# Altium PCB STM32F429IGT6.PcbDoc (part 2 of 6)
Units mil, origin at the board's own origin, x right, y up, seen from the top; angles counter-clockwise.
Board outline 3765 x 2155 mil, 2 copper layers (Top Layer, Bottom Layer); 135 components, 194 nets, 727 pads, 429 vias.
Unrouted connection lines stored in the file: 1.
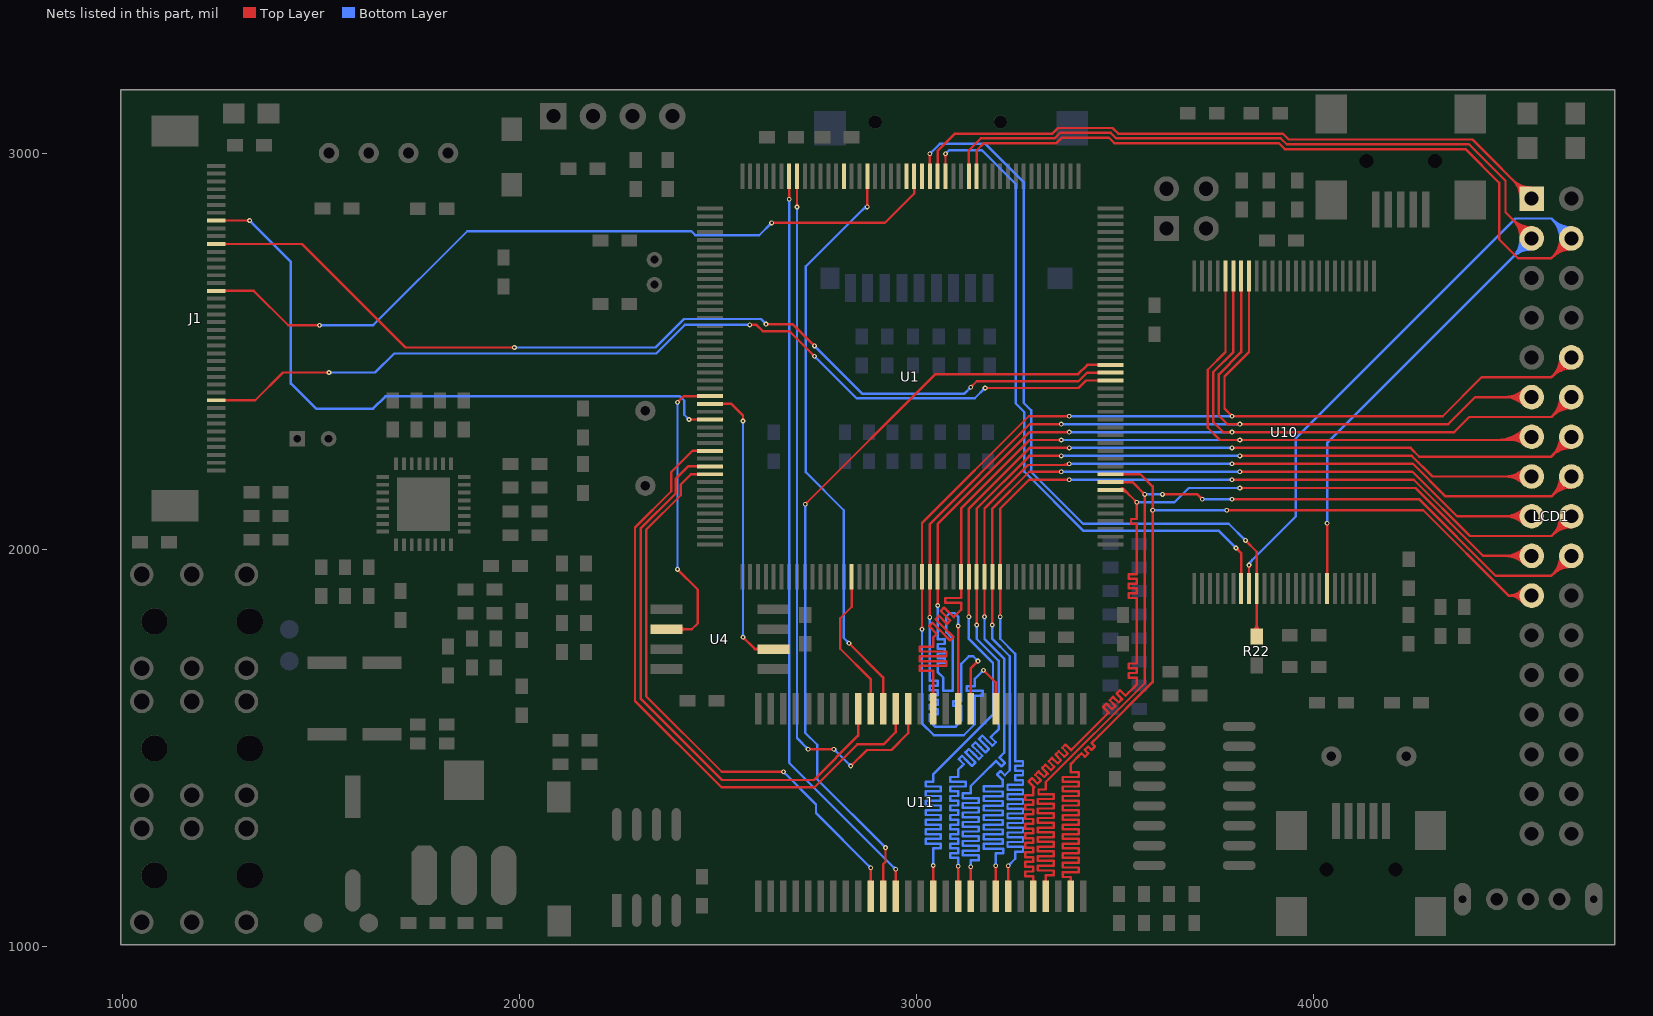
[diagram p2: the nets of this part, all layers, seen from the top]

## Via types
v1: diameter 12, hole 6, Top Layer to Bottom Layer, 405 vias
v2: diameter 16, hole 8, Top Layer to Bottom Layer, 10 vias
v3: diameter 27.56, hole 15.75, Top Layer to Bottom Layer, 9 vias
v4: diameter 16, hole 10, Top Layer to Bottom Layer, 2 vias
v5: diameter 14, hole 8, Top Layer to Bottom Layer, 1 vias
v6: diameter 30, hole 20, Top Layer to Bottom Layer, 1 vias
v7: diameter 26, hole 20, Top Layer to Bottom Layer, 1 vias

## Nets (pads, with @x,y where several pads share a name; then routed paths per layer and width w, separated by ;. In a path a pad name is that pad's centre, name@x,y a point inside that pad or via, vN(x,y) a via of type N, cw(c..) or ccw(c..) an arc to the next point about the centre after c; other vN are vias at no path point) (continued)
FMC_D4: LCD1.10 U1.68 U10.41 U11.8 | length 3563.5
  Top Layer w6: v1@3011.95,1802.12 ccw(c3006.83,1807.24) 3014.07,1807.24 ccw(c3021.32,1807.24) v1@3016.2,1802.12 ; v1(3014.07,1800) U1.68@3014.07,1932.22 3014.07,2068.07 3283,2337 v1(3385,2337) ; v1@3169,1694 cw(c3169,1686.76) 3174.12,1691.88 cw(c3179.24,1697) v1@3172,1697 ; v1(3169,1697) 3199.53,1666.47 U11.8@3199.53,1600 ; U11.8@3196.08,1634.94 ccw(c3187.76,1643.26) 3199.53,1643.26 ccw(c3211.3,1643.26) U11.8@3202.97,1634.94 ; v1@3382.88,2334.88 ccw(c3377.76,2329.76) 3377.76,2337 ccw(c3377.76,2344.24) v1@3382.88,2339.12 ; v1@3792,2337 ccw(c3784.76,2337) 3789.88,2342.12 ccw(c3795,2347.24) v1@3795,2340 ; v1@3797.12,2334.88 cw(c3802.24,2329.76) 3802.24,2337 cw(c3802.24,2344.24) v1@3797.12,2339.12 ; U10.41@3837.79,2690.47 3837.79,2498.4 3776,2436.6 3776,2356 v1(3795,2337) 4326,2337 4424,2435 4600,2435 LCD1.10@4650,2485 ; LCD1.10@4622,2485 cw(c4554.4,2485) 4602.2,2437.2 cw(c4650,2389.4) LCD1.10@4650,2457 ; LCD1.10@4628,2485 cw(c4574.89,2485) 4612.44,2447.44 cw(c4650,2409.89) LCD1.10@4650,2463 ; LCD1.10@4634,2485 cw(c4595.37,2485) 4622.69,2457.69 cw(c4650,2430.37) LCD1.10@4650,2469
  Bottom Layer w6: v1@3011.95,1797.88 cw(c3006.83,1792.76) 3014.07,1792.76 cw(c3021.32,1792.76) v1@3016.2,1797.88 ; v1(3014.07,1800) 3014.07,1562.93 3044,1533 3119,1533 3147,1561 3147,1622 3147,1633 3167,1633 3167,1645 3147,1645 3127,1645 3127,1657 3147,1657 3147,1669 3147,1675 v1(3169,1697) ; v1@3166,1697 cw(c3158.76,1697) 3163.88,1691.88 cw(c3169,1686.76) v1@3169,1694 ; v1(3385,2337) v1(3795,2337) ; v1@3387.12,2334.88 cw(c3392.24,2329.76) 3392.24,2337 cw(c3392.24,2344.24) v1@3387.12,2339.12 ; v1@3792.88,2334.88 ccw(c3787.76,2329.76) 3787.76,2337 ccw(c3787.76,2344.24) v1@3792.88,2339.12
FMC_D5: LCD1.11 U1.69 U10.42 U11.10 | length 3566.9
  Top Layer w6: v1@3031.64,1832.12 ccw(c3026.52,1837.24) 3033.76,1837.24 ccw(c3041,1837.24) v1@3035.88,1832.12 ; v1(3033.76,1830) U1.69@3033.76,1932.22 3033.76,2065.43 3285.33,2317 v1(3365,2317) ; U11.10@3133.09,1634.94 ccw(c3124.77,1643.26) 3136.54,1643.26 ccw(c3148.3,1643.26) U11.10@3139.98,1634.94 ; U11.10@3136.54,1600 3136.54,1701.54 v1(3155,1720) ; v1@3152,1720 cw(c3144.76,1720) 3149.88,1714.88 cw(c3155,1709.76) v1@3155,1717 ; v1@3362.88,2314.88 ccw(c3357.76,2309.76) 3357.76,2317 ccw(c3357.76,2324.24) v1@3362.88,2319.12 ; v1@3812.88,2314.88 ccw(c3807.76,2309.76) 3807.76,2317 ccw(c3807.76,2324.24) v1@3812.88,2319.12 ; v1@3817.12,2314.88 cw(c3822.24,2309.76) 3822.24,2317 cw(c3822.24,2324.24) v1@3817.12,2319.12 ; U10.42@3818.11,2690.47 3818.11,2498.51 3762,2442.4 3762,2338 3783,2317 3795,2317 4340,2317 4408,2385 LCD1.11@4550,2385 ; LCD1.11@4530.2,2365.2 ccw(c4482.4,2317.4) 4482.4,2385 ccw(c4482.4,2452.6) LCD1.11@4530.2,2404.8 ; LCD1.11@4534.44,2369.44 ccw(c4496.89,2331.89) 4496.89,2385 ccw(c4496.89,2438.11) LCD1.11@4534.44,2400.56 ; LCD1.11@4538.69,2373.69 ccw(c4511.37,2346.37) 4511.37,2385 ccw(c4511.37,2423.63) LCD1.11@4538.69,2396.31
  Bottom Layer w6: v1@3031.64,1827.88 cw(c3026.52,1822.76) 3033.76,1822.76 cw(c3041,1822.76) v1@3035.88,1827.88 ; v1(3033.76,1830) 3033.76,1712 3033.76,1670.24 3053.21,1670.24 3053.21,1658.24 3033.76,1658.24 3033.76,1646.24 3053.21,1646.24 3053.21,1634.24 3033.76,1634.24 3033.76,1622.24 3053.21,1622.24 3053.21,1610.24 3033.76,1610.24 3033.76,1598.24 3053.21,1598.24 3053.21,1586.24 3033.76,1586.24 3033.76,1574.24 3033.76,1568.24 3047,1555 3099,1555 3113,1569 3113,1600 3113,1607 3093,1607 3093,1619 3113,1619 3113,1631 3113,1637 3113,1713 3132,1732 3143,1732 v1(3155,1720) ; v1@3152,1720 ccw(c3144.76,1720) 3149.88,1725.12 ccw(c3155,1730.24) v1@3155,1723 ; v1(3365,2317) v1(3815,2317) ; v1@3367.12,2314.88 cw(c3372.24,2309.76) 3372.24,2317 cw(c3372.24,2324.24) v1@3367.12,2319.12 ; v1@3812.88,2314.88 ccw(c3807.76,2309.76) 3807.76,2317 ccw(c3807.76,2324.24) v1@3812.88,2319.12
FMC_D6: LCD1.12 U1.70 U10.43 U11.11 | length 3565
  Top Layer w6: v1@3051.32,1862.12 ccw(c3046.2,1867.24) 3053.44,1867.24 ccw(c3060.69,1867.24) v1@3055.57,1862.12 ; v1(3053.44,1860) U1.70@3053.44,1932.22 3053.44,2065.31 3285.13,2297 v1(3385,2297) ; U11.11@3101.59,1634.94 ccw(c3093.27,1643.26) 3105.04,1643.26 ccw(c3116.81,1643.26) U11.11@3108.49,1634.94 ; v1@3102.92,1806.28 cw(c3097.8,1801.16) 3105.04,1801.16 cw(c3112.28,1801.16) v1@3107.16,1806.28 ; U11.11@3105.04,1600 v1(3105.04,1808.4) ; v1@3382.88,2294.88 ccw(c3377.76,2289.76) 3377.76,2297 ccw(c3377.76,2304.24) v1@3382.88,2299.12 ; v1@3792.88,2294.88 ccw(c3787.76,2289.76) 3787.76,2297 ccw(c3787.76,2304.24) v1@3792.88,2299.12 ; v1@3797.12,2294.88 cw(c3802.24,2289.76) 3802.24,2297 cw(c3802.24,2304.24) v1@3797.12,2299.12 ; U10.43@3798.42,2690.47 3798.42,2498.63 3748,2448.2 3748,2322.2 3773.2,2297 v1(3795,2297) 4355,2297 4393,2335 4600,2335 LCD1.12@4650,2385 ; LCD1.12@4622,2385 cw(c4554.4,2385) 4602.2,2337.2 cw(c4650,2289.4) LCD1.12@4650,2357 ; LCD1.12@4628,2385 cw(c4574.89,2385) 4612.44,2347.44 cw(c4650,2309.89) LCD1.12@4650,2363 ; LCD1.12@4634,2385 cw(c4595.37,2385) 4622.69,2357.69 cw(c4650,2330.37) LCD1.12@4650,2369
  Bottom Layer w6: v1@3051.32,1857.88 cw(c3046.2,1852.76) 3053.44,1852.76 cw(c3060.69,1852.76) v1@3055.57,1857.88 ; v1(3053.44,1860) 3053.44,1781 3053.44,1775 3071.07,1775 3071.07,1763 3053.44,1763 3053.44,1751 3071.07,1751 3071.07,1739 3053.44,1739 3053.44,1727 3071.07,1727 3071.07,1715 3053.44,1715 3053.44,1713 3053.44,1692.56 3068,1678 3068,1645 3091,1645 3091,1777 3075,1793 3075,1832 3084,1841 3096.08,1841 3105.04,1832.04 v1(3105.04,1808.4) ; v1@3102.92,1810.53 ccw(c3097.8,1815.65) 3105.04,1815.65 ccw(c3112.28,1815.65) v1@3107.16,1810.53 ; v1(3385,2297) v1(3795,2297) ; v1@3387.12,2294.88 cw(c3392.24,2289.76) 3392.24,2297 cw(c3392.24,2304.24) v1@3387.12,2299.12 ; v1@3792.88,2294.88 ccw(c3787.76,2289.76) 3787.76,2297 ccw(c3787.76,2304.24) v1@3792.88,2299.12
FMC_D7: LCD1.13 U1.73 U10.44 U11.13 | length 3567.2
  Top Layer w6: U11.13@3038.6,1634.94 ccw(c3030.28,1643.26) 3042.05,1643.26 ccw(c3053.81,1643.26) U11.13@3045.49,1634.94 ; U11.13@3042.05,1600 3042.05,1670.24 3042.05,1696 3008.24,1696 3008.24,1708 3042.05,1708 3075.86,1708 3075.86,1720 3042.05,1720 3008.24,1720 3008.24,1732 3042.05,1732 3075.86,1732 3075.86,1744 3042.05,1744 3008.24,1744 3008.24,1756 3042.05,1756 3042.05,1768 3042.05,1774 3042.05,1779.05 3048.72,1785.72 3051.35,1788.35 3031.72,1807.97 3040.21,1816.46 3059.83,1796.83 3084.56,1772.11 3093.04,1780.59 3068.32,1805.32 3048.08,1825.55 3056.57,1834.03 3076.8,1813.8 3085.29,1822.29 3061.11,1846.46 3069.6,1854.94 3093.77,1830.77 3102.26,1839.26 3106.5,1843.5 3112.5,1849.5 3112.5,1856 3112.5,1867 3072.5,1867 3072.5,1879 3112.5,1879 3112.5,1891 3112.5,1897 U1.73@3112.5,1932.22 3112.5,2104.57 3284.93,2277 v1(3365,2277) ; v1@3362.88,2274.88 ccw(c3357.76,2269.76) 3357.76,2277 ccw(c3357.76,2284.24) v1@3362.88,2279.12 ; U10.44@3778.74,2690.47 3778.74,2498.74 3734,2454 3734,2308 3765,2277 3795,2277 4542,2277 LCD1.13@4550,2285 ; v1@3812.88,2274.88 ccw(c3807.76,2269.76) 3807.76,2277 ccw(c3807.76,2284.24) v1@3812.88,2279.12 ; v1@3817.12,2274.88 cw(c3822.24,2269.76) 3822.24,2277 cw(c3822.24,2284.24) v1@3817.12,2279.12 ; 4463.09,2277 ccw(c4463.09,2371.91) LCD1.13@4530.2,2304.8 ; 4477.57,2277 ccw(c4477.57,2357.43) LCD1.13@4534.44,2300.56 ; 4492.06,2277 ccw(c4492.06,2342.94) LCD1.13@4538.69,2296.31 ; 4501.72,2277 cw(c4501.72,2236.72) LCD1.13@4530.2,2265.2 ; 4506.54,2277 ccw(c4506.54,2328.46) LCD1.13@4542.93,2292.07 ; 4516.2,2277 cw(c4516.2,2251.2) LCD1.13@4534.44,2269.44
  Bottom Layer w6: v1(3365,2277) v1(3815,2277) ; v1@3367.12,2274.88 cw(c3372.24,2269.76) 3372.24,2277 cw(c3372.24,2284.24) v1@3367.12,2279.12 ; v1@3812.88,2274.88 ccw(c3807.76,2269.76) 3807.76,2277 ccw(c3807.76,2284.24) v1@3812.88,2279.12
FMC_D8: LCD1.14 U1.74 U11.42 | length 3569.8
  Top Layer w6: U11.42@3038.6,1162.5 ccw(c3030.28,1170.82) 3042.05,1170.82 ccw(c3053.81,1170.82) U11.42@3045.49,1162.5 ; v1@3039.92,1202.83 cw(c3034.8,1197.71) 3042.05,1197.71 cw(c3049.29,1197.71) v1@3044.17,1202.83 ; U11.42@3042.05,1127.56 v1(3042.05,1204.95) ; v1@3130.06,1833.75 ccw(c3124.94,1838.87) 3132.19,1838.87 ccw(c3139.43,1838.87) v1@3134.31,1833.75 ; v1(3132.19,1831.63) U1.74@3132.19,1932.22 3132.19,2104.46 3284.73,2257 v1(3385,2257) ; v1@3382.88,2254.88 ccw(c3377.76,2249.76) 3377.76,2257 ccw(c3377.76,2264.24) v1@3382.88,2259.12 ; v1(3795,2257) 4244.94,2257 4266.94,2235 4599,2235 4649,2285 LCD1.14@4650,2285 ; v1@3797.12,2254.88 cw(c3802.24,2249.76) 3802.24,2257 cw(c3802.24,2264.24) v1@3797.12,2259.12 ; 4600.49,2236.49 cw(c4650,2186.99) LCD1.14@4650,2257 ; 4602.91,2238.91 ccw(c4556.82,2285) LCD1.14@4622,2285 ; 4610.74,2246.74 cw(c4650,2207.47) LCD1.14@4650,2263 ; 4613.15,2249.15 ccw(c4577.3,2285) LCD1.14@4628,2285 ; 4620.98,2256.98 cw(c4650,2227.96) LCD1.14@4650,2269 ; 4623.39,2259.39 ccw(c4597.79,2285) LCD1.14@4634,2285
  Bottom Layer w6: v1@3039.92,1207.08 ccw(c3034.8,1212.2) 3042.05,1212.2 ccw(c3049.29,1212.2) v1@3044.17,1207.08 ; v1(3042.05,1204.95) 3042.05,1227 3042.05,1248.05 3060.92,1248.05 3060.92,1260.05 3042.05,1260.05 3023.17,1260.05 3023.17,1272.05 3042.05,1272.05 3060.92,1272.05 3060.92,1284.05 3042.05,1284.05 3023.17,1284.05 3023.17,1296.05 3042.05,1296.05 3060.92,1296.05 3060.92,1308.05 3042.05,1308.05 3023.17,1308.05 3023.17,1320.05 3042.05,1320.05 3060.92,1320.05 3060.92,1332.05 3042.05,1332.05 3023.17,1332.05 3023.17,1344.05 3042.05,1344.05 3060.92,1344.05 3060.92,1356.05 3042.05,1356.05 3023.17,1356.05 3023.17,1368.05 3042.05,1368.05 3060.92,1368.05 3060.92,1380.05 3042.05,1380.05 3023.17,1380.05 3023.17,1392.05 3042.05,1392.05 3060.92,1392.05 3060.92,1404.05 3042.05,1404.05 3023.17,1404.05 3023.17,1416.05 3042.05,1416.05 3042.05,1428.05 ; v1@3130.06,1829.51 cw(c3124.94,1824.39) 3132.19,1824.39 cw(c3139.43,1824.39) v1@3134.31,1829.51 ; v1(3132.19,1831.63) 3132.19,1775.62 3193,1714.8 3193,1585 3042.05,1434.05 ; v1(3385,2257) v1(3795,2257) ; v1@3387.12,2254.88 cw(c3392.24,2249.76) 3392.24,2257 cw(c3392.24,2264.24) v1@3387.12,2259.12 ; v1@3792.88,2254.88 ccw(c3787.76,2249.76) 3787.76,2257 ccw(c3787.76,2264.24) v1@3792.88,2259.12 ; 3042.05,1428.05 3042.05,1434.05 ; 3042.05,1428.05 3042.05,1434.05
FMC_D9: LCD1.15 U1.75 U11.44 | length 3569.8
  Top Layer w6: U11.44@3101.59,1162.5 ccw(c3093.27,1170.82) 3105.04,1170.82 ccw(c3116.81,1170.82) U11.44@3108.49,1162.5 ; v1@3102.92,1200.92 cw(c3097.8,1195.8) 3105.04,1195.8 cw(c3112.28,1195.8) v1@3107.16,1200.92 ; U11.44@3105.04,1127.56 v1(3105.04,1203.04) ; v1@3149.75,1812.99 ccw(c3144.63,1818.11) 3151.87,1818.11 ccw(c3159.11,1818.11) v1@3153.99,1812.99 ; v1(3151.87,1810.87) U1.75@3151.87,1932.22 3151.87,2104.34 3284.53,2237 v1(3365,2237) ; v1@3362.88,2234.88 ccw(c3357.76,2229.76) 3357.76,2237 ccw(c3357.76,2244.24) v1@3362.88,2239.12 ; v1(3815,2237) 4247.97,2237 4299.97,2185 LCD1.15@4550,2185 ; v1@3817.12,2234.88 cw(c3822.24,2229.76) 3822.24,2237 cw(c3822.24,2244.24) v1@3817.12,2239.12 ; LCD1.15@4530.2,2165.2 ccw(c4482.4,2117.4) 4482.4,2185 ccw(c4482.4,2252.6) LCD1.15@4530.2,2204.8 ; LCD1.15@4534.44,2169.44 ccw(c4496.89,2131.89) 4496.89,2185 ccw(c4496.89,2238.11) LCD1.15@4534.44,2200.56 ; LCD1.15@4538.69,2173.69 ccw(c4511.37,2146.37) 4511.37,2185 ccw(c4511.37,2223.63) LCD1.15@4538.69,2196.31
  Bottom Layer w6: v1@3102.92,1205.16 ccw(c3097.8,1210.28) 3105.04,1210.28 ccw(c3112.28,1210.28) v1@3107.16,1205.16 ; v1(3105.04,1203.04) 3105.04,1217 3105.04,1224.04 3085.04,1224.04 3085.04,1236.04 3105.04,1236.04 3105.04,1248.04 3085.04,1248.04 3085.04,1260.04 3105.04,1260.04 3105.04,1272.04 3085.04,1272.04 3085.04,1284.04 3105.04,1284.04 3105.04,1296.04 3085.04,1296.04 3085.04,1308.04 3105.04,1308.04 3105.04,1320.04 3085.04,1320.04 3085.04,1332.04 3105.04,1332.04 3105.04,1344.04 3085.04,1344.04 3085.04,1356.04 3105.04,1356.04 3105.04,1368.04 3085.04,1368.04 3085.04,1380.04 3105.04,1380.04 3105.04,1392.04 3085.04,1392.04 3085.04,1404.04 3105.04,1404.04 3124.54,1404.04 3124.54,1416.04 3105.04,1416.04 3085.04,1416.04 3085.04,1428.04 3105.04,1428.04 3105.04,1440.04 ; v1@3149.75,1808.75 cw(c3144.63,1803.63) 3151.87,1803.63 cw(c3159.11,1803.63) v1@3153.99,1808.75 ; v1(3151.87,1810.87) 3151.87,1775.73 3207,1720.6 3207,1548 3189.5,1530.5 3187.02,1528.02 3199.77,1515.27 3191.29,1506.79 3178.54,1519.54 3165.79,1532.29 3157.3,1523.8 3170.05,1511.05 3182.8,1498.3 3174.32,1489.82 3161.57,1502.57 3148.82,1515.32 3140.33,1506.83 3153.08,1494.08 3165.83,1481.33 3157.35,1472.84 3144.59,1485.59 3131.84,1498.35 3123.36,1489.86 3136.11,1477.11 3148.86,1464.36 3140.37,1455.87 3127.62,1468.62 3114.87,1481.37 3106.39,1472.89 3119.14,1460.14 3114.9,1455.9 3105.04,1446.04 ; v1(3365,2237) v1(3815,2237) ; v1@3367.12,2234.88 cw(c3372.24,2229.76) 3372.24,2237 cw(c3372.24,2244.24) v1@3367.12,2239.12 ; v1@3812.88,2234.88 ccw(c3807.76,2229.76) 3807.76,2237 ccw(c3807.76,2244.24) v1@3812.88,2239.12 ; 3105.04,1440.04 3105.04,1446.04 ; 3105.04,1440.04 3105.04,1446.04
FMC_D10: LCD1.16 U1.76 U11.45 | length 3572.1
  Top Layer w6: U11.45@3133.09,1162.5 ccw(c3124.77,1170.82) 3136.54,1170.82 ccw(c3148.3,1170.82) U11.45@3139.98,1162.5 ; v1@3134.41,1199.41 cw(c3129.29,1194.29) 3136.54,1194.29 cw(c3143.78,1194.29) v1@3138.66,1199.41 ; U11.45@3136.54,1127.56 v1(3136.54,1201.54) ; v1@3169.43,1833.75 ccw(c3164.31,1838.87) 3171.56,1838.87 ccw(c3178.8,1838.87) v1@3173.68,1833.75 ; v1(3171.56,1831.63) U1.76@3171.56,1932.22 3171.56,2104.23 3281.33,2214 3382,2214 v1(3385,2217) ; 3370.51,2214 ccw(c3370.51,2231.49) v1@3382.88,2219.12 ; v1(3795,2217) 4251,2217 4333,2135 4600,2135 LCD1.16@4650,2185 ; v1@3797.12,2214.88 cw(c3802.24,2209.76) 3802.24,2217 cw(c3802.24,2224.24) v1@3797.12,2219.12 ; LCD1.16@4622,2185 cw(c4554.4,2185) 4602.2,2137.2 cw(c4650,2089.4) LCD1.16@4650,2157 ; LCD1.16@4628,2185 cw(c4574.89,2185) 4612.44,2147.44 cw(c4650,2109.89) LCD1.16@4650,2163 ; LCD1.16@4634,2185 cw(c4595.37,2185) 4622.69,2157.69 cw(c4650,2130.37) LCD1.16@4650,2169
  Bottom Layer w6: v1@3134.41,1203.66 ccw(c3129.29,1208.78) 3136.54,1208.78 ccw(c3143.78,1208.78) v1@3138.66,1203.66 ; v1(3136.54,1201.54) 3136.54,1213 3136.54,1218.54 3156.54,1218.54 3156.54,1230.54 3136.54,1230.54 3117.04,1230.54 3117.04,1242.54 3136.54,1242.54 3156.54,1242.54 3156.54,1254.54 3136.54,1254.54 3117.04,1254.54 3117.04,1266.54 3136.54,1266.54 3156.54,1266.54 3156.54,1278.54 3136.54,1278.54 3117.04,1278.54 3117.04,1290.54 3136.54,1290.54 3156.54,1290.54 3156.54,1302.54 3136.54,1302.54 3117.04,1302.54 3117.04,1314.54 3136.54,1314.54 3156.54,1314.54 3156.54,1326.54 3136.54,1326.54 3117.04,1326.54 3117.04,1338.54 3136.54,1338.54 3156.54,1338.54 3156.54,1350.54 3136.54,1350.54 3117.04,1350.54 3117.04,1362.54 3136.54,1362.54 3156.54,1362.54 3156.54,1374.54 3136.54,1374.54 3117.04,1374.54 3117.04,1386.54 3136.54,1386.54 3136.54,1398.54 ; v1@3169.43,1829.51 cw(c3164.31,1824.39) 3171.56,1824.39 cw(c3178.8,1824.39) v1@3173.68,1829.51 ; v1(3171.56,1831.63) 3171.56,1775.85 3221,1726.4 3221,1489 3213.25,1481.25 3209,1477 3222.81,1463.2 3214.32,1454.71 3200.52,1468.52 3168,1436 3136.54,1404.54 ; v1(3385,2217) v1(3795,2217) ; v1@3387.12,2214.88 cw(c3392.24,2209.76) 3392.24,2217 cw(c3392.24,2224.24) v1@3387.12,2219.12 ; v1@3792.88,2214.88 ccw(c3787.76,2209.76) 3787.76,2217 ccw(c3787.76,2224.24) v1@3792.88,2219.12 ; 3136.54,1398.54 3136.54,1404.54 ; 3136.54,1398.54 3136.54,1404.54
FMC_D11: LCD1.17 U1.77 U11.47 | length 3529.2
  Top Layer w6: v1@3189.12,1812.99 ccw(c3184,1818.11) 3191.24,1818.11 ccw(c3198.48,1818.11) v1@3193.36,1812.99 ; v1(3191.24,1810.87) U1.77@3191.24,1932.22 3191.24,2104.11 3284.13,2197 v1(3365,2197) ; U11.47@3196.08,1162.5 ccw(c3187.76,1170.82) 3199.53,1170.82 ccw(c3211.29,1170.82) U11.47@3202.97,1162.5 ; v1@3197.41,1202.35 cw(c3192.29,1197.23) 3199.53,1197.23 cw(c3206.77,1197.23) v1@3201.65,1202.35 ; U11.47@3199.53,1127.56 v1(3199.53,1204.47) ; v1@3362.88,2194.88 ccw(c3357.76,2189.76) 3357.76,2197 ccw(c3357.76,2204.24) v1@3362.88,2199.12 ; v1(3815,2197) 4249.94,2197 4361.94,2085 LCD1.17@4550,2085 ; v1@3817.12,2194.88 cw(c3822.24,2189.76) 3822.24,2197 cw(c3822.24,2204.24) v1@3817.12,2199.12 ; LCD1.17@4530.2,2065.2 ccw(c4482.4,2017.4) 4482.4,2085 ccw(c4482.4,2152.6) LCD1.17@4530.2,2104.8 ; LCD1.17@4534.44,2069.44 ccw(c4496.89,2031.89) 4496.89,2085 ccw(c4496.89,2138.11) LCD1.17@4534.44,2100.56 ; LCD1.17@4538.69,2073.69 ccw(c4511.37,2046.37) 4511.37,2085 ccw(c4511.37,2123.63) LCD1.17@4538.69,2096.31
  Bottom Layer w6: v1@3189.12,1808.75 cw(c3184,1803.63) 3191.24,1803.63 cw(c3198.48,1803.63) v1@3193.36,1808.75 ; v1(3191.24,1810.87) 3191.24,1775.96 3235,1732.2 3235,1445 3222.27,1432.27 3211.49,1443.05 3203,1434.57 3217,1420.57 3217,1405 3170,1405 3170,1391.53 3217.55,1391.53 3217.55,1379.53 3169.53,1379.53 3169.53,1367.53 3217.55,1367.53 3217.55,1355.53 3169.53,1355.53 3169.53,1343.53 3217.55,1343.53 3217.55,1331.53 3169.53,1331.53 3169.53,1319.53 3217.55,1319.53 3217.55,1307.53 3169.53,1307.53 3169.53,1295.53 3217.55,1295.53 3217.55,1283.53 3169.53,1283.53 3169.53,1271.53 3217.55,1271.53 3217.55,1259.53 3169.53,1259.53 3169.53,1247.53 3218.41,1247.53 3218.41,1235.53 3199.53,1235.53 v1(3199.53,1204.47) ; v1@3197.41,1206.59 ccw(c3192.29,1211.71) 3199.53,1211.71 ccw(c3206.77,1211.71) v1@3201.65,1206.59 ; v1(3365,2197) v1(3815,2197) ; v1@3367.12,2194.88 cw(c3372.24,2189.76) 3372.24,2197 cw(c3372.24,2204.24) v1@3367.12,2199.12 ; v1@3812.88,2194.88 ccw(c3807.76,2189.76) 3807.76,2197 ccw(c3807.76,2204.24) v1@3812.88,2199.12
FMC_D12: LCD1.18 U1.78 U11.48 | length 3569.8
  Top Layer w6: v1@3208.8,1833.75 ccw(c3203.68,1838.87) 3210.93,1838.87 ccw(c3218.17,1838.87) v1@3213.05,1833.75 ; v1(3210.93,1831.63) U1.78@3210.93,1932.22 3210.93,2104 3283.93,2177 v1(3385,2177) ; U11.48@3227.58,1162.5 ccw(c3219.26,1170.82) 3231.02,1170.82 ccw(c3242.79,1170.82) U11.48@3234.47,1162.5 ; v1@3228.9,1201.9 cw(c3223.78,1196.78) 3231.02,1196.78 cw(c3238.27,1196.78) v1@3233.15,1201.9 ; U11.48@3231.02,1127.56 v1(3231.02,1204.02) ; v1@3382.88,2174.88 ccw(c3377.76,2169.76) 3377.76,2177 ccw(c3377.76,2184.24) v1@3382.88,2179.12 ; v1(3795,2177) 4252.97,2177 4394.97,2035 4600,2035 LCD1.18@4650,2085 ; v1@3797.12,2174.88 cw(c3802.24,2169.76) 3802.24,2177 cw(c3802.24,2184.24) v1@3797.12,2179.12 ; LCD1.18@4622,2085 cw(c4554.4,2085) 4602.2,2037.2 cw(c4650,1989.4) LCD1.18@4650,2057 ; LCD1.18@4628,2085 cw(c4574.89,2085) 4612.44,2047.44 cw(c4650,2009.89) LCD1.18@4650,2063 ; LCD1.18@4634,2085 cw(c4595.37,2085) 4622.69,2057.69 cw(c4650,2030.37) LCD1.18@4650,2069
  Bottom Layer w6: v1@3208.8,1829.51 cw(c3203.68,1824.39) 3210.93,1824.39 cw(c3218.17,1824.39) v1@3213.05,1829.51 ; v1(3210.93,1831.63) 3210.93,1776.07 3249,1738 3249,1561 3249,1468 3268.46,1468 3268.46,1456 3249,1456 3249,1444 3268.46,1444 3268.46,1432 3249,1432 3249,1420 3268.46,1420 3268.46,1408 3249,1408 3229.54,1408 3229.54,1396 3249,1396 3268.46,1396 3268.46,1384 3249,1384 3229.54,1384 3229.54,1372 3249,1372 3268.46,1372 3268.46,1360 3249,1360 3229.54,1360 3229.54,1348 3249,1348 3268.46,1348 3268.46,1336 3249,1336 3229.54,1336 3229.54,1324 3249,1324 3268.46,1324 3268.46,1312 3249,1312 3229.54,1312 3229.54,1300 3249,1300 3268.46,1300 3268.46,1288 3249,1288 3229.54,1288 3229.54,1276 3249,1276 3268.46,1276 3268.46,1264 3249,1264 3229.54,1264 3229.54,1252 3249,1252 3268.46,1252 3268.46,1240 3249,1240 3249,1228 3249,1222 v1(3231.02,1204.02) ; v1@3231.02,1207.02 ccw(c3231.02,1214.27) 3236.15,1209.15 ccw(c3241.27,1204.02) v1@3234.02,1204.02 ; v1(3385,2177) v1(3795,2177) ; v1@3387.12,2174.88 cw(c3392.24,2169.76) 3392.24,2177 cw(c3392.24,2184.24) v1@3387.12,2179.12 ; v1@3792.88,2174.88 ccw(c3787.76,2169.76) 3787.76,2177 ccw(c3787.76,2184.24) v1@3792.88,2179.12
FMC_D13: LCD1.19 U1.96 U11.50 | length 3569.3
  Top Layer w6: U11.50@3290.57,1162.5 ccw(c3282.25,1170.82) 3294.02,1170.82 ccw(c3305.78,1170.82) U11.50@3297.46,1162.5 ; U11.50@3294.02,1127.56 3294.02,1174 3294.02,1177.96 3274.02,1177.96 3274.02,1189.96 3294.02,1189.96 3294.02,1201.96 3274.02,1201.96 3274.02,1213.96 3294.02,1213.96 3294.02,1225.96 3274.02,1225.96 3274.02,1237.96 3294.02,1237.96 3294.02,1249.96 3274.02,1249.96 3274.02,1261.96 3294.02,1261.96 3294.02,1273.96 3274.02,1273.96 3274.02,1285.96 3294.02,1285.96 3294.02,1297.96 3274.02,1297.96 3274.02,1309.96 3294.02,1309.96 3294.02,1321.96 3274.02,1321.96 3274.02,1333.96 3294.02,1333.96 3294.02,1345.96 3274.02,1345.96 3274.02,1357.96 3294.02,1357.96 3294.02,1369.96 3274.02,1369.96 3274.02,1381.96 3294.02,1381.96 3294.02,1393.96 3294.02,1399.96 3296.47,1402.41 3282.32,1416.55 3290.81,1425.03 3304.95,1410.89 3313.44,1419.38 3299.29,1433.52 3307.78,1442 3321.92,1427.86 3330.41,1436.35 3316.26,1450.49 3324.75,1458.97 3338.89,1444.83 3347.38,1453.32 3333.23,1467.46 3341.72,1475.95 3355.86,1461.8 3364.35,1470.29 3350.21,1484.43 3358.69,1492.92 3372.83,1478.77 3381.32,1487.26 3367.18,1501.4 3375.66,1509.89 3389.8,1495.74 3398.29,1504.23 3402.53,1508.47 3472.03,1577.97 3475.71,1581.65 3484.19,1590.13 3470.05,1604.27 3478.53,1612.76 3492.68,1598.62 3501.16,1607.1 3487.02,1621.24 3495.5,1629.73 3509.65,1615.59 3518.13,1624.07 3503.99,1638.21 3512.47,1646.7 3526.62,1632.56 3535.1,1641.04 3539.34,1645.29 3551.53,1657.47 ; U1.96@3489.09,2151.34 3523.66,2151.34 v1(3555,2120) 3555,2096 3555,2090 3555,2078 3540.65,2078 3540.65,2066 3555,2066 3555,2060 3555,1957 3555,1951 3555,1939 3535,1939 3535,1927 3555,1927 3555,1915 3535,1915 3535,1903 3555,1903 3555,1891 3535,1891 3535,1879 3555,1879 3555,1867 3555,1855 3555,1853 3555,1732 3555,1726 3555,1714 3535,1714 3535,1702 3555,1702 3555,1690 3535,1690 3535,1678 3555,1678 3555,1666 3555,1660.94 3550.76,1656.7 ; U1.96@3516.57,2149.34 cw(c3516.57,2127.4) 3532.09,2142.91 ; U1.96@3516.57,2155.34 cw(c3516.57,2147.88) 3521.85,2153.15 ; U1.96@3517.42,2149.52 cw(c3521.08,2141.66) 3527.21,2147.79 ; v1@3552,2120 ccw(c3544.76,2120) 3549.88,2125.12 ccw(c3555,2130.24) v1@3555,2123 ; v1@3552.88,2117.88 cw(c3547.76,2112.76) 3555,2112.76 cw(c3562.24,2112.76) v1@3557.12,2117.88 ; v1(3815,2156) 4257,2156 4428,1985 LCD1.19@4550,1985 ; v1@3817.12,2153.88 cw(c3822.24,2148.76) 3822.24,2156 cw(c3822.24,2163.24) v1@3817.12,2158.12 ; LCD1.19@4530.2,1965.2 ccw(c4482.4,1917.4) 4482.4,1985 ccw(c4482.4,2052.6) LCD1.19@4530.2,2004.8 ; LCD1.19@4534.44,1969.44 ccw(c4496.89,1931.89) 4496.89,1985 ccw(c4496.89,2038.11) LCD1.19@4534.44,2000.56 ; LCD1.19@4538.69,1973.69 ccw(c4511.37,1946.37) 4511.37,1985 ccw(c4511.37,2023.63) LCD1.19@4538.69,1996.31
  Bottom Layer w6: v1(3555,2120) 3650,2120 3686,2156 v1(3815,2156) ; v1@3557.12,2117.88 cw(c3562.24,2112.76) 3562.24,2120 cw(c3562.24,2127.24) v1@3557.12,2122.12 ; v1@3812.88,2153.88 ccw(c3807.76,2148.76) 3807.76,2156 ccw(c3807.76,2163.24) v1@3812.88,2158.12
FMC_D14: LCD1.20 U1.97 U11.51 | length 3499.8
  Top Layer w6: U11.51@3322.07,1162.5 ccw(c3313.75,1170.82) 3325.51,1170.82 ccw(c3337.28,1170.82) U11.51@3328.96,1162.5 ; U11.51@3325.51,1127.56 3325.51,1165 3325.51,1168.48 ; U1.97@3489.09,2171.02 3543.98,2171.02 v1(3575,2140) 3575,1663.97 3325.51,1414.48 3325.51,1408.48 3325.51,1396.48 3307.51,1396.48 3307.51,1384.48 3325.51,1384.48 3345.51,1384.48 3345.51,1372.48 3325.51,1372.48 3306.01,1372.48 3306.01,1360.48 3325.51,1360.48 3345.51,1360.48 3345.51,1348.48 3325.51,1348.48 3306.01,1348.48 3306.01,1336.48 3325.51,1336.48 3345.51,1336.48 3345.51,1324.48 3325.51,1324.48 3306.01,1324.48 3306.01,1312.48 3325.51,1312.48 3345.51,1312.48 3345.51,1300.48 3325.51,1300.48 3306.01,1300.48 3306.01,1288.48 3325.51,1288.48 3345.51,1288.48 3345.51,1276.48 3325.51,1276.48 3306.01,1276.48 3306.01,1264.48 3325.51,1264.48 3345.51,1264.48 3345.51,1252.48 3325.51,1252.48 3306.01,1252.48 3306.01,1240.48 3325.51,1240.48 3345.51,1240.48 3345.51,1228.48 3325.51,1228.48 3306.01,1228.48 3306.01,1216.48 3325.51,1216.48 3345.51,1216.48 3345.51,1204.48 3325.51,1204.48 3306.01,1204.48 3306.01,1192.48 3325.51,1192.48 3345.51,1192.48 3345.51,1180.48 3325.51,1180.48 3325.51,1168.48 ; v1@3572,2140 ccw(c3564.76,2140) 3569.88,2145.12 ccw(c3575,2150.24) v1@3575,2143 ; v1@3572.88,2137.88 cw(c3567.76,2132.76) 3575,2132.76 cw(c3582.24,2132.76) v1@3577.12,2137.88 ; v1(3620,2140) 3708,2140 v1(3720,2128) ; v1@3622.12,2137.88 cw(c3627.24,2132.76) 3627.24,2140 cw(c3627.24,2147.24) v1@3622.12,2142.12 ; v1@3717,2128 ccw(c3709.76,2128) 3714.88,2133.12 ccw(c3720,2138.24) v1@3720,2131 ; v1(3795,2128) 4265.97,2128 4458.97,1935 4600,1935 LCD1.20@4650,1985 ; v1@3797.12,2125.88 cw(c3802.24,2120.76) 3802.24,2128 cw(c3802.24,2135.24) v1@3797.12,2130.12 ; LCD1.20@4622,1985 cw(c4554.4,1985) 4602.2,1937.2 cw(c4650,1889.4) LCD1.20@4650,1957 ; LCD1.20@4628,1985 cw(c4574.89,1985) 4612.44,1947.44 cw(c4650,1909.89) LCD1.20@4650,1963 ; LCD1.20@4634,1985 cw(c4595.37,1985) 4622.69,1957.69 cw(c4650,1930.37) LCD1.20@4650,1969 ; 3325.51,1168.48 cw(c3318.83,1168.48) 3322.69,1163.03 ccw(c3318.83,1168.48) 3325.51,1168.48 ; 3325.51,1168.48 ccw(c3332.19,1168.48) 3328.33,1163.03 cw(c3332.19,1168.48) 3325.51,1168.48
  Bottom Layer w6: v1(3575,2140) v1(3620,2140) ; v1@3577.12,2137.88 cw(c3582.24,2132.76) 3582.24,2140 cw(c3582.24,2147.24) v1@3577.12,2142.12 ; v1@3617.88,2137.88 ccw(c3612.76,2132.76) 3612.76,2140 ccw(c3612.76,2147.24) v1@3617.88,2142.12 ; v1(3720,2128) v1(3795,2128) ; v1@3722.12,2125.88 cw(c3727.24,2120.76) 3727.24,2128 cw(c3727.24,2135.24) v1@3722.12,2130.12 ; v1@3792.88,2125.88 ccw(c3787.76,2120.76) 3787.76,2128 ccw(c3787.76,2135.24) v1@3792.88,2130.12
FMC_D15: LCD1.21 U1.98 U11.53 | length 3503.8
  Top Layer w6: U11.53@3385.06,1162.5 ccw(c3375.54,1172.02) 3389,1172.02 ; U11.53@3389,1127.56 3389,1168 ; 3389,1169.63 ccw(c3399.07,1169.63) U11.53@3391.95,1162.5 ; U1.98@3489.09,2190.71 3564.29,2190.71 3595,2160 v1(3595,2100) 3595,1667 3459.5,1531.5 3441.19,1513.19 3449.95,1504.44 3441.46,1495.95 3432.71,1504.71 3424.22,1496.22 3432.98,1487.47 3424.49,1478.98 3415.74,1487.74 3407.25,1479.25 3403.01,1475.01 3389,1461 3389,1446 3389,1440 3409,1440 3409,1428 3389,1428 3369,1428 3369,1416 3389,1416 3409,1416 3409,1404 3389,1404 3369,1404 3369,1392 3389,1392 3409,1392 3409,1380 3389,1380 3369,1380 3369,1368 3389,1368 3409,1368 3409,1356 3389,1356 3369,1356 3369,1344 3389,1344 3409,1344 3409,1332 3389,1332 3369,1332 3369,1320 3389,1320 3409,1320 3409,1308 3389,1308 3369,1308 3369,1296 3389,1296 3409,1296 3409,1284 3389,1284 3369,1284 3369,1272 3389,1272 3409,1272 3409,1260 3389,1260 3369,1260 3369,1248 3389,1248 3409,1248 3409,1236 3389,1236 3369,1236 3369,1224 3389,1224 3409,1224 3409,1212 3389,1212 3369,1212 3369,1200 3389,1200 3409,1200 3409,1188 3389,1188 3369,1188 3369,1176 3389,1176 3389,1168 ; v1@3592.88,2097.88 cw(c3587.76,2092.76) 3595,2092.76 cw(c3602.24,2092.76) v1@3597.12,2097.88 ; v1@3592.88,2102.12 ccw(c3587.76,2107.24) 3595,2107.24 ccw(c3602.24,2107.24) v1@3597.12,2102.12 ; v1(3782,2100) 4277,2100 4492,1885 ; v1@3784.12,2097.88 cw(c3789.24,2092.76) 3789.24,2100 cw(c3789.24,2107.24) v1@3784.12,2102.12 ; LCD1.21@4528.07,1867.59 ccw(c4492,1838.93) 4492,1885 ; LCD1.21@4528.07,1902.41 cw(c4492,1931.07) 4492,1885 ; LCD1.21@4532.77,1871.32 ccw(c4504.43,1848.81) 4504.43,1885 ccw(c4504.43,1921.19) LCD1.21@4532.77,1898.68 ; LCD1.21@4537.47,1875.05 ccw(c4516.86,1858.68) 4516.86,1885 ccw(c4516.86,1911.32) LCD1.21@4537.47,1894.95 ; LCD1.21@4550,1885 4492,1885 ; 3389,1168 cw(c3383.74,1168) 3386.21,1163.36 ccw(c3383.74,1168) 3389,1168 ; 3389,1168 ccw(c3395.45,1168) 3391.49,1162.91 cw(c3395.45,1168) 3389,1168
  Bottom Layer w6: v1(3595,2100) v1(3782,2100) ; v1@3597.12,2097.88 cw(c3602.24,2092.76) 3602.24,2100 cw(c3602.24,2107.24) v1@3597.12,2102.12 ; v1@3779.88,2097.88 ccw(c3774.76,2092.76) 3774.76,2100 ccw(c3774.76,2107.24) v1@3779.88,2102.12
FMC_INT2: J1.10 U1.110 | length 2518
  Top Layer w6: J1.10@1236,2377.17 1334.17,2377.17 1403.96,2446.96 v1(1520,2446.96) ; v1@1517.88,2444.84 ccw(c1512.76,2439.72) 1512.76,2446.96 ccw(c1512.76,2454.2) v1@1517.88,2449.08 ; v1(2580,2567) 2597,2567 2613,2551 2680,2551 v1(2743,2488) ; v1@2582.12,2564.88 cw(c2587.24,2559.76) 2587.24,2567 cw(c2587.24,2574.24) v1@2582.12,2569.12 ; v1@2740,2488 ccw(c2732.76,2488) 2737.88,2493.12 ccw(c2743,2498.24) v1@2743,2491 ; v1(3173,2408) 3407.97,2408 3426.9,2426.93 U1.110@3489.09,2426.93 ; v1@3175.12,2405.88 cw(c3180.24,2400.76) 3180.24,2408 cw(c3180.24,2415.24) v1@3175.12,2410.12
  Bottom Layer w6: v1(1520,2446.96) 1636.08,2446.96 1684.12,2495 2344.38,2495 2416.38,2567 v1(2580,2567) ; v1@1522.12,2444.84 cw(c1527.24,2439.72) 1527.24,2446.96 cw(c1527.24,2454.2) v1@1522.12,2449.08 ; v1@2577.88,2564.88 ccw(c2572.76,2559.76) 2572.76,2567 ccw(c2572.76,2574.24) v1@2577.88,2569.12 ; v1@2743,2485 cw(c2743,2477.76) 2748.12,2482.88 cw(c2753.24,2488) v1@2746,2488 ; v1(2743,2488) 2849,2382 3147,2382 v1(3173,2408) ; v1@3170,2408 cw(c3162.76,2408) 3167.88,2402.88 cw(c3173,2397.76) v1@3173,2405
FMC_INT3: J1.30 U1.111 | length 2581.7
  Top Layer w6: J1.30@1236,2770.87 1452.19,2770.87 1713.06,2510 v1(1987,2510) ; v1@1984.88,2507.88 ccw(c1979.76,2502.76) 1979.76,2510 ccw(c1979.76,2517.24) v1@1984.88,2512.12 ; v1(2621,2569) 2688,2569 v1(2743,2514) ; v1@2623.12,2566.88 cw(c2628.24,2561.76) 2628.24,2569 cw(c2628.24,2576.24) v1@2623.12,2571.12 ; v1@2740,2514 ccw(c2732.76,2514) 2737.88,2519.12 ccw(c2743,2524.24) v1@2743,2517 ; v1(3137,2410) 3152,2425 3408,2425 3429.61,2446.61 U1.111@3489.09,2446.61 ; v1@3137,2413 ccw(c3137,2420.24) 3142.12,2415.12 ccw(c3147.24,2410) v1@3140,2410
  Bottom Layer w6: v1(1987,2510) 2342.41,2510 2414.41,2582 2608,2582 v1(2621,2569) ; v1@1989.12,2507.88 cw(c1994.24,2502.76) 1994.24,2510 cw(c1994.24,2517.24) v1@1989.12,2512.12 ; v1@2618,2569 ccw(c2610.76,2569) 2615.88,2574.12 ccw(c2621,2579.24) v1@2621,2572 ; v1@2743,2511 cw(c2743,2503.76) 2748.12,2508.88 cw(c2753.24,2514) v1@2746,2514 ; v1(2743,2514) 2863,2394 3121,2394 v1(3137,2410) ; v1@3134,2410 cw(c3126.76,2410) 3131.88,2404.88 cw(c3137,2399.76) v1@3137,2407
FMC_INTR: J1.33 U1.28 | length 1723.5
  Top Layer w6: J1.33@1236,2829.92 v1(1319.92,2829.92) ; v1@1317.8,2827.8 ccw(c1312.68,2822.68) 1312.68,2829.92 ccw(c1312.68,2837.16) v1@1317.8,2832.04 ; v1(2427,2328.5) U1.28@2480,2328.5 ; v1@2429.12,2326.38 cw(c2434.24,2321.26) 2434.24,2328.5 cw(c2434.24,2335.75) v1@2429.12,2330.63
  Bottom Layer w6: v1@1319.92,2826.92 cw(c1319.92,2819.68) 1325.04,2824.8 cw(c1330.16,2829.92) v1@1322.92,2829.92 ; v1(1319.92,2829.92) 1424,2725.84 1424,2419 1487,2356 1631,2356 1662,2387 2404.21,2387 2415,2376.21 2415,2340.5 v1(2427,2328.5) ; v1@2424,2328.5 ccw(c2416.76,2328.5) 2421.88,2333.63 ccw(c2427,2338.75) v1@2427,2331.5
FMC_NBL0: U1.169 U11.15 | length 1930.2
  Top Layer w6: v1@2696.99,2866.24 ccw(c2691.87,2871.36) 2699.11,2871.36 ccw(c2706.36,2871.36) v1@2701.24,2866.24 ; v1(2699.11,2864.11) U1.169@2699.11,2941.32 ; v1(2727,1498) v1(2792,1498) ; v1@2729.12,1495.88 cw(c2734.24,1490.76) 2734.24,1498 cw(c2734.24,1505.24) v1@2729.12,1500.12 ; v1@2789.88,1495.88 ccw(c2784.76,1490.76) 2784.76,1498 ccw(c2784.76,1505.24) v1@2789.88,1500.12 ; v1(2834.5,1455.5) 2875,1496 2937,1496 2979.05,1538.05 U11.15@2979.05,1600 ; v1@2834.5,1458.5 ccw(c2834.5,1465.74) 2839.62,1460.62 ccw(c2844.74,1455.5) v1@2837.5,1455.5 ; U11.15@2975.61,1565.06 cw(c2967.29,1556.74) 2979.05,1556.74 cw(c2990.82,1556.74) U11.15@2982.5,1565.06
  Bottom Layer w6: v1@2696.99,2861.99 cw(c2691.87,2856.87) 2699.11,2856.87 cw(c2706.36,2856.87) v1@2701.24,2861.99 ; v1(2699.11,2864.11) 2699.11,1525.89 v1(2727,1498) ; v1@2724,1498 ccw(c2716.76,1498) 2721.88,1503.12 ccw(c2727,1508.24) v1@2727,1501 ; v1@2792,1495 cw(c2792,1487.76) 2797.12,1492.88 cw(c2802.24,1498) v1@2795,1498 ; v1(2792,1498) v1(2834.5,1455.5) ; v1@2831.5,1455.5 ccw(c2824.26,1455.5) 2829.38,1460.62 ccw(c2834.5,1465.74) v1@2834.5,1458.5
FMC_NBL1: U1.170 U11.39 | length 1988.8
  Top Layer w6: v1@2677.31,2885.55 ccw(c2672.19,2890.67) 2679.43,2890.67 ccw(c2686.67,2890.67) v1@2681.55,2885.55 ; v1(2679.43,2883.43) U1.170@2679.43,2941.32 ; U11.39@2944.11,1162.5 ccw(c2935.79,1170.82) 2947.56,1170.82 ccw(c2959.32,1170.82) U11.39@2951,1162.5 ; v1@2945.44,1193.32 cw(c2940.32,1188.2) 2947.56,1188.2 cw(c2954.8,1188.2) v1@2949.68,1193.32 ; U11.39@2947.56,1127.56 v1(2947.56,1195.44)
  Bottom Layer w6: v1@2677.31,2881.31 cw(c2672.19,2876.19) 2679.43,2876.19 cw(c2686.67,2876.19) v1@2681.55,2881.31 ; v1(2679.43,2883.43) 2679.43,1463.57 v1(2947.56,1195.44) ; v1@2944.56,1195.44 ccw(c2937.32,1195.44) 2942.44,1200.56 ccw(c2947.56,1205.68) v1@2947.56,1198.44
FMC_NCE2: LCD1.1 U1.151 | length 1908.5
  Top Layer w6: U1.151@3053.44,2941.32 3053.44,3005.44 3097,3049 3342.73,3049 3356.73,3063 3494.27,3063 3508.27,3049 3922.91,3049 3937.91,3034 4401,3034 LCD1.1@4550,2885 ; LCD1.1@4522,2885 ccw(c4454.4,2885) 4502.2,2932.8 ccw(c4550,2980.6) LCD1.1@4550,2913 ; LCD1.1@4528,2885 ccw(c4474.89,2885) 4512.44,2922.56 ccw(c4550,2960.11) LCD1.1@4550,2907 ; LCD1.1@4534,2885 ccw(c4495.37,2885) 4522.69,2912.31 ccw(c4550,2939.63) LCD1.1@4550,2901
FMC_NCE3: R22.2 U1.152 U10.9 | length 2054.5
  Top Layer w6: v1@3031.64,2996.12 cw(c3026.52,2991) 3033.76,2991 cw(c3041,2991) v1@3035.88,2996.12 ; U1.152@3033.76,2941.32 v1(3033.76,2998.24) ; v1@3829,2021 cw(c3829,2013.76) 3834.12,2018.88 cw(c3839.24,2024) v1@3832,2024 ; v1(3829,2024) 3857.48,1995.52 U10.9@3857.48,1903.07 R22.2@3857.48,1781.98 ; R22.2@3847.99,1794.77 ccw(c3825.06,1817.69) 3857.48,1817.69 ; R22.2@3852.23,1790.52 ccw(c3839.55,1803.2) 3857.48,1803.2 ; 3857.48,1815.37 ccw(c3886.62,1815.37) R22.2@3866.01,1794.77
  Bottom Layer w6: v1(3033.76,2998.24) 3058.52,3023 3174,3023 3270,2927 3270,2371 3289,2352 3289,2197 3420,2066 3787,2066 v1(3829,2024) ; v1@3033.76,3001.24 ccw(c3033.76,3008.48) 3038.88,3003.36 ccw(c3044,2998.24) v1@3036.76,2998.24 ; v1@3826,2024 ccw(c3818.76,2024) 3823.88,2029.12 ccw(c3829,2034.24) v1@3829,2027
FMC_NCE4_1: U1.153
FMC_NCE4_2: J1.24 U1.154 | length 2028.8
  Top Layer w6: J1.24@1236,2652.76 1330.24,2652.76 1417.04,2565.96 v1(1496,2565.96) ; v1@1493.88,2563.84 ccw(c1488.76,2558.72) 1488.76,2565.96 ccw(c1488.76,2573.2) v1@1493.88,2568.08 ; v1(2635,2824) 2920,2824 2994.39,2898.39 U1.154@2994.39,2941.32 ; v1@2637.12,2821.88 cw(c2642.24,2816.76) 2642.24,2824 cw(c2642.24,2831.24) v1@2637.12,2826.12
  Bottom Layer w6: v1(1496,2565.96) 1631.14,2565.96 1868.18,2803 2432.94,2803 2442.94,2793 2604,2793 v1(2635,2824) ; v1@1498.12,2563.84 cw(c1503.24,2558.72) 1503.24,2565.96 cw(c1503.24,2573.2) v1@1498.12,2568.08 ; v1@2632,2824 cw(c2624.76,2824) 2629.88,2818.88 cw(c2635,2813.76) v1@2635,2821
FMC_NE4: U1.155
FMC_NIOWR: U1.26 U4.2 | length 816.5
  Top Layer w6: U1.26@2480,2367.87 2534.13,2367.87 2563,2339 v1(2563,2325) ; v1@2560.88,2327.12 ccw(c2555.76,2332.24) 2563,2332.24 ccw(c2570.24,2332.24) v1@2565.12,2327.12 ; v1@2563,1777 cw(c2563,1769.76) 2568.12,1774.88 cw(c2573.24,1780) v1@2566,1780 ; v1(2563,1780) 2592.94,1750.06 ; U4.2@2605.05,1744.34 ccw(c2592.94,1734.38) 2592.94,1750.06 ; U4.2@2605.05,1755.78 cw(c2592.94,1765.75) 2592.94,1750.06 ; U4.2@2640,1750.06 2592.94,1750.06
  Bottom Layer w6: v1@2560.88,1782.12 ccw(c2555.76,1787.24) 2563,1787.24 ccw(c2570.24,1787.24) v1@2565.12,1782.12 ; v1@2560.88,2322.88 cw(c2555.76,2317.76) 2563,2317.76 cw(c2570.24,2317.76) v1@2565.12,2322.88 ; v1(2563,1780) v1(2563,2325)
FMC_NOE: LCD1.4 U1.146 U10.8 | length 3705.2
  Top Layer w6: U1.146@3151.87,2941.32 3151.87,3006.87 3170,3025 3352.67,3025 3366.67,3039 3484.33,3039 3498.33,3025 3912.97,3025 3927.97,3010 4383,3010 4468,2925 4468,2783 4516,2735 4600,2735 LCD1.4@4650,2785 ; v1@3835.67,1959.67 cw(c3830.55,1954.55) 3837.79,1954.55 cw(c3845.04,1954.55) v1@3839.92,1959.67 ; U10.8@3837.79,1903.07 v1(3837.79,1961.79) ; LCD1.4@4622,2785 cw(c4554.4,2785) 4602.2,2737.2 cw(c4650,2689.4) LCD1.4@4650,2757 ; LCD1.4@4628,2785 cw(c4574.89,2785) 4612.44,2747.44 cw(c4650,2709.89) LCD1.4@4650,2763 ; LCD1.4@4634,2785 cw(c4595.37,2785) 4622.69,2757.69 cw(c4650,2730.37) LCD1.4@4650,2769
  Bottom Layer w6: v1(3837.79,1961.79) 3837.79,1966.58 3956,2084.79 3956,2282 4509,2835 4600,2835 LCD1.4@4650,2785 ; v1@3840.79,1961.79 cw(c3859.59,1961.79) 3846.3,1975.09 ; LCD1.4@4622,2785 ccw(c4554.4,2785) 4602.2,2832.8 ccw(c4650,2880.6) LCD1.4@4650,2813 ; LCD1.4@4628,2785 ccw(c4574.89,2785) 4612.44,2822.56 ccw(c4650,2860.11) LCD1.4@4650,2807 ; LCD1.4@4634,2785 ccw(c4595.37,2785) 4622.69,2812.31 ccw(c4650,2839.63) LCD1.4@4650,2801
FMC_NREG: U1.25 U4.6 | length 826.4
  Top Layer w6: U4.6@2370,1800 2434,1800 2449,1815 2449,1900 v1(2398,1951) ; v1@2398,1948 cw(c2398,1940.76) 2403.12,1945.88 cw(c2408.24,1951) v1@2401,1951 ; v1(2398,2372) 2413.56,2387.56 U1.25@2480,2387.56 ; v1@2398,2375 ccw(c2398,2382.24) 2403.12,2377.12 ccw(c2408.24,2372) v1@2401,2372 ; U4.6@2404.36,1793.64 cw(c2419.73,1778.27) 2419.73,1800 cw(c2419.73,1821.73) U4.6@2404.36,1806.36
  Bottom Layer w6: v1@2395.88,1953.12 ccw(c2390.76,1958.24) 2398,1958.24 ccw(c2405.24,1958.24) v1@2400.12,1953.12 ; v1@2395.88,2369.88 cw(c2390.76,2364.76) 2398,2364.76 cw(c2405.24,2364.76) v1@2400.12,2369.88 ; v1(2398,1951) v1@2398,2367
FMC_NWAIT: U1.150 U10.7 | length 1772
  Top Layer w6: v1@3071.01,2996.01 cw(c3065.89,2990.89) 3073.13,2990.89 cw(c3080.37,2990.89) v1@3075.25,2996.01 ; U1.150@3073.13,2941.32 v1(3073.13,2998.13) ; v1@3805,2002 cw(c3805,1994.76) 3810.12,1999.88 cw(c3815.24,2005) v1@3808,2005 ; v1(3805,2005) 3818.11,1991.89 U10.7@3818.11,1903.07
  Bottom Layer w6: v1(3073.13,2998.13) 3081.98,3006.98 3164.94,3006.98 3250,2921.93 3250,2369 3272,2347 3272,2197.03 3421.03,2048 3762,2048 v1(3805,2005) ; v1@3073.13,3001.13 ccw(c3073.13,3008.37) 3078.25,3003.25 ccw(c3083.37,2998.13) v1@3076.13,2998.13 ; v1@3802,2005 ccw(c3794.76,2005) 3799.88,2010.12 ccw(c3805,2015.24) v1@3805,2008
FMC_NWE: LCD1.3 U1.147 U10.18 | length 3276.9
  Top Layer w6: U1.147@3132.19,2941.32 3132.19,3006.98 3162.2,3037 3347.7,3037 3361.7,3051 3489.3,3051 3503.3,3037 3917.94,3037 3932.94,3022 4392,3022 4484,2930 4484,2851 LCD1.3@4550,2785 ; v1@4032.52,2065.23 cw(c4027.4,2060.11) 4034.64,2060.11 cw(c4041.89,2060.11) v1@4036.77,2065.23 ; U10.18@4034.64,1903.07 v1(4034.64,2067.36) ; LCD1.3@4522,2785 ccw(c4454.4,2785) 4502.2,2832.8 ccw(c4550,2880.6) LCD1.3@4550,2813 ; LCD1.3@4528,2785 ccw(c4474.89,2785) 4512.44,2822.56 ccw(c4550,2860.11) LCD1.3@4550,2807 ; LCD1.3@4534,2785 ccw(c4495.37,2785) 4522.69,2812.31 ccw(c4550,2839.63) LCD1.3@4550,2801
  Bottom Layer w6: v1@4032.52,2069.48 ccw(c4027.4,2074.6) 4034.64,2074.6 ccw(c4041.89,2074.6) v1@4036.77,2069.48 ; v1(4034.64,2067.36) 4034.64,2269.64 LCD1.3@4550,2785 ; LCD1.3@4522,2785 cw(c4454.4,2785) 4502.2,2737.2 cw(c4550,2689.4) LCD1.3@4550,2757 ; LCD1.3@4528,2785 cw(c4474.89,2785) 4512.44,2747.44 cw(c4550,2709.89) LCD1.3@4550,2763 ; LCD1.3@4534,2785 cw(c4495.37,2785) 4522.69,2757.69 cw(c4550,2730.37) LCD1.3@4550,2769
FMC_SDCKE0: U1.35 U11.37 | length 1547.5
  Top Layer w6: U1.35@2480,2190.71 2431.71,2190.71 2406,2165 2406,2137.73 2319,2050.73 2319,1631.39 2509.39,1441 v1(2665,1441) ; v1@2662.88,1438.88 ccw(c2657.76,1433.76) 2657.76,1441 ccw(c2657.76,1448.24) v1@2662.88,1443.12 ; U11.37@2881.12,1162.5 ccw(c2872.8,1170.82) 2884.57,1170.82 ccw(c2896.33,1170.82) U11.37@2888.01,1162.5 ; v1@2882.44,1197.31 cw(c2877.32,1192.19) 2884.57,1192.19 cw(c2891.81,1192.19) v1@2886.69,1197.31 ; U11.37@2884.57,1127.56 v1(2884.57,1199.43)
  Bottom Layer w6: v1@2665,1438 cw(c2665,1430.76) 2670.12,1435.88 cw(c2675.24,1441) v1@2668,1441 ; v1(2665,1441) 2747,1359 2747,1337 v1(2884.57,1199.43) ; v1@2881.57,1199.43 ccw(c2874.32,1199.43) 2879.44,1204.56 ccw(c2884.57,1209.68) v1@2884.57,1202.43
FMC_SDCKE1: U1.163
FMC_SDCLK: U1.112 U11.38 | length 2052.2
  Top Layer w6: v1(2720,2115) 3048,2443 3407.44,2443 3430.74,2466.3 U1.112@3489.09,2466.3 ; v1@2720,2118 ccw(c2720,2125.24) 2725.12,2120.12 ccw(c2730.24,2115) v1@2723,2115 ; U11.38@2912.62,1162.5 ccw(c2904.3,1170.82) 2916.06,1170.82 ccw(c2927.83,1170.82) U11.38@2919.51,1162.5 ; U11.38@2916.06,1127.56 2916.06,1208.06 2922,1214 v1(2922,1250) ; v1@2919.88,1247.88 cw(c2914.76,1242.76) 2922,1242.76 cw(c2929.24,1242.76) v1@2924.12,1247.88
  Bottom Layer w6: v1@2717.88,2112.88 cw(c2712.76,2107.76) 2720,2107.76 cw(c2727.24,2107.76) v1@2722.12,2112.88 ; v1(2720,2115) 2720,1539 2750,1509 2750,1422 v1(2922,1250) ; v1@2919,1250 ccw(c2911.76,1250) 2916.88,1255.12 ccw(c2922,1260.24) v1@2922,1253
FMC_SDNCAS: U1.160 U11.17 | length 1558.1
  Top Layer w6: v1@2830,1762 cw(c2830,1754.76) 2835.12,1759.88 cw(c2840.24,1765) v1@2833,1765 ; v1(2830,1765) 2916.06,1678.94 U11.17@2916.06,1600 ; v1@2874.16,2866.4 ccw(c2869.04,2871.52) 2876.28,2871.52 ccw(c2883.52,2871.52) v1@2878.4,2866.4 ; v1(2876.28,2864.28) U1.160@2876.28,2941.32 ; U11.17@2912.62,1634.94 ccw(c2904.3,1643.26) 2916.06,1643.26 ccw(c2927.83,1643.26) U11.17@2919.51,1634.94
  Bottom Layer w6: v1@2827,1765 ccw(c2819.76,1765) 2824.88,1770.12 ccw(c2830,1775.24) v1@2830,1768 ; v1(2830,1765) 2817,1778 2817,2100 2721,2196 2721,2714.38 2870.9,2864.28 v1(2876.28,2864.28) ; 2861.97,2855.35 cw(c2876.28,2841.04) v1@2876.28,2861.28
FMC_SDNE0: U1.34 U11.19 | length 1455.5
  Top Layer w6: U1.34@2480,2210.39 2424.39,2210.39 2394,2180 2394,2142.7 2305,2053.7 2305,1625.59 2510.09,1420.5 2741.5,1420.5 2853.07,1532.07 U11.19@2853.07,1600 ; U11.19@2849.62,1565.06 cw(c2841.3,1556.74) 2853.07,1556.74 cw(c2864.84,1556.74) U11.19@2856.52,1565.06
FMC_SDNRAS: U1.59 U11.18 | length 394.4
  Top Layer w6: U1.59@2836.91,1932.22 2836.91,1856.91 2808,1828 2808,1751 2884.57,1674.43 U11.18@2884.57,1600 ; U11.18@2881.12,1634.94 ccw(c2872.8,1643.26) 2884.57,1643.26 ccw(c2896.33,1643.26) U11.18@2888.01,1634.94
FMC_SDNWE: U1.32 U11.16 | length 1616.3
  Top Layer w6: U1.32@2480,2249.76 2435.76,2249.76 2382,2196 2382,2147.67 2291,2056.67 2291,1619.79 2508.79,1402 2742.8,1402 2850.8,1510 2917,1510 2947.56,1540.56 U11.16@2947.56,1600 ; U11.16@2944.11,1565.06 cw(c2935.79,1556.74) 2947.56,1556.74 cw(c2959.32,1556.74) U11.16@2951,1565.06